# Altium PCB SLIU_648352_008.PcbDoc (part 3 of 4)
Units mm, origin at the board's own origin, x right, y up, seen from the top; angles counter-clockwise.
Board outline 200 x 140 mm, 5 copper layers (Top Layer, gnd, Case, PITANIE, Bottom Layer), stack 2.01 mm thick; 379 components, 284 nets, 1711 pads, 392 vias.
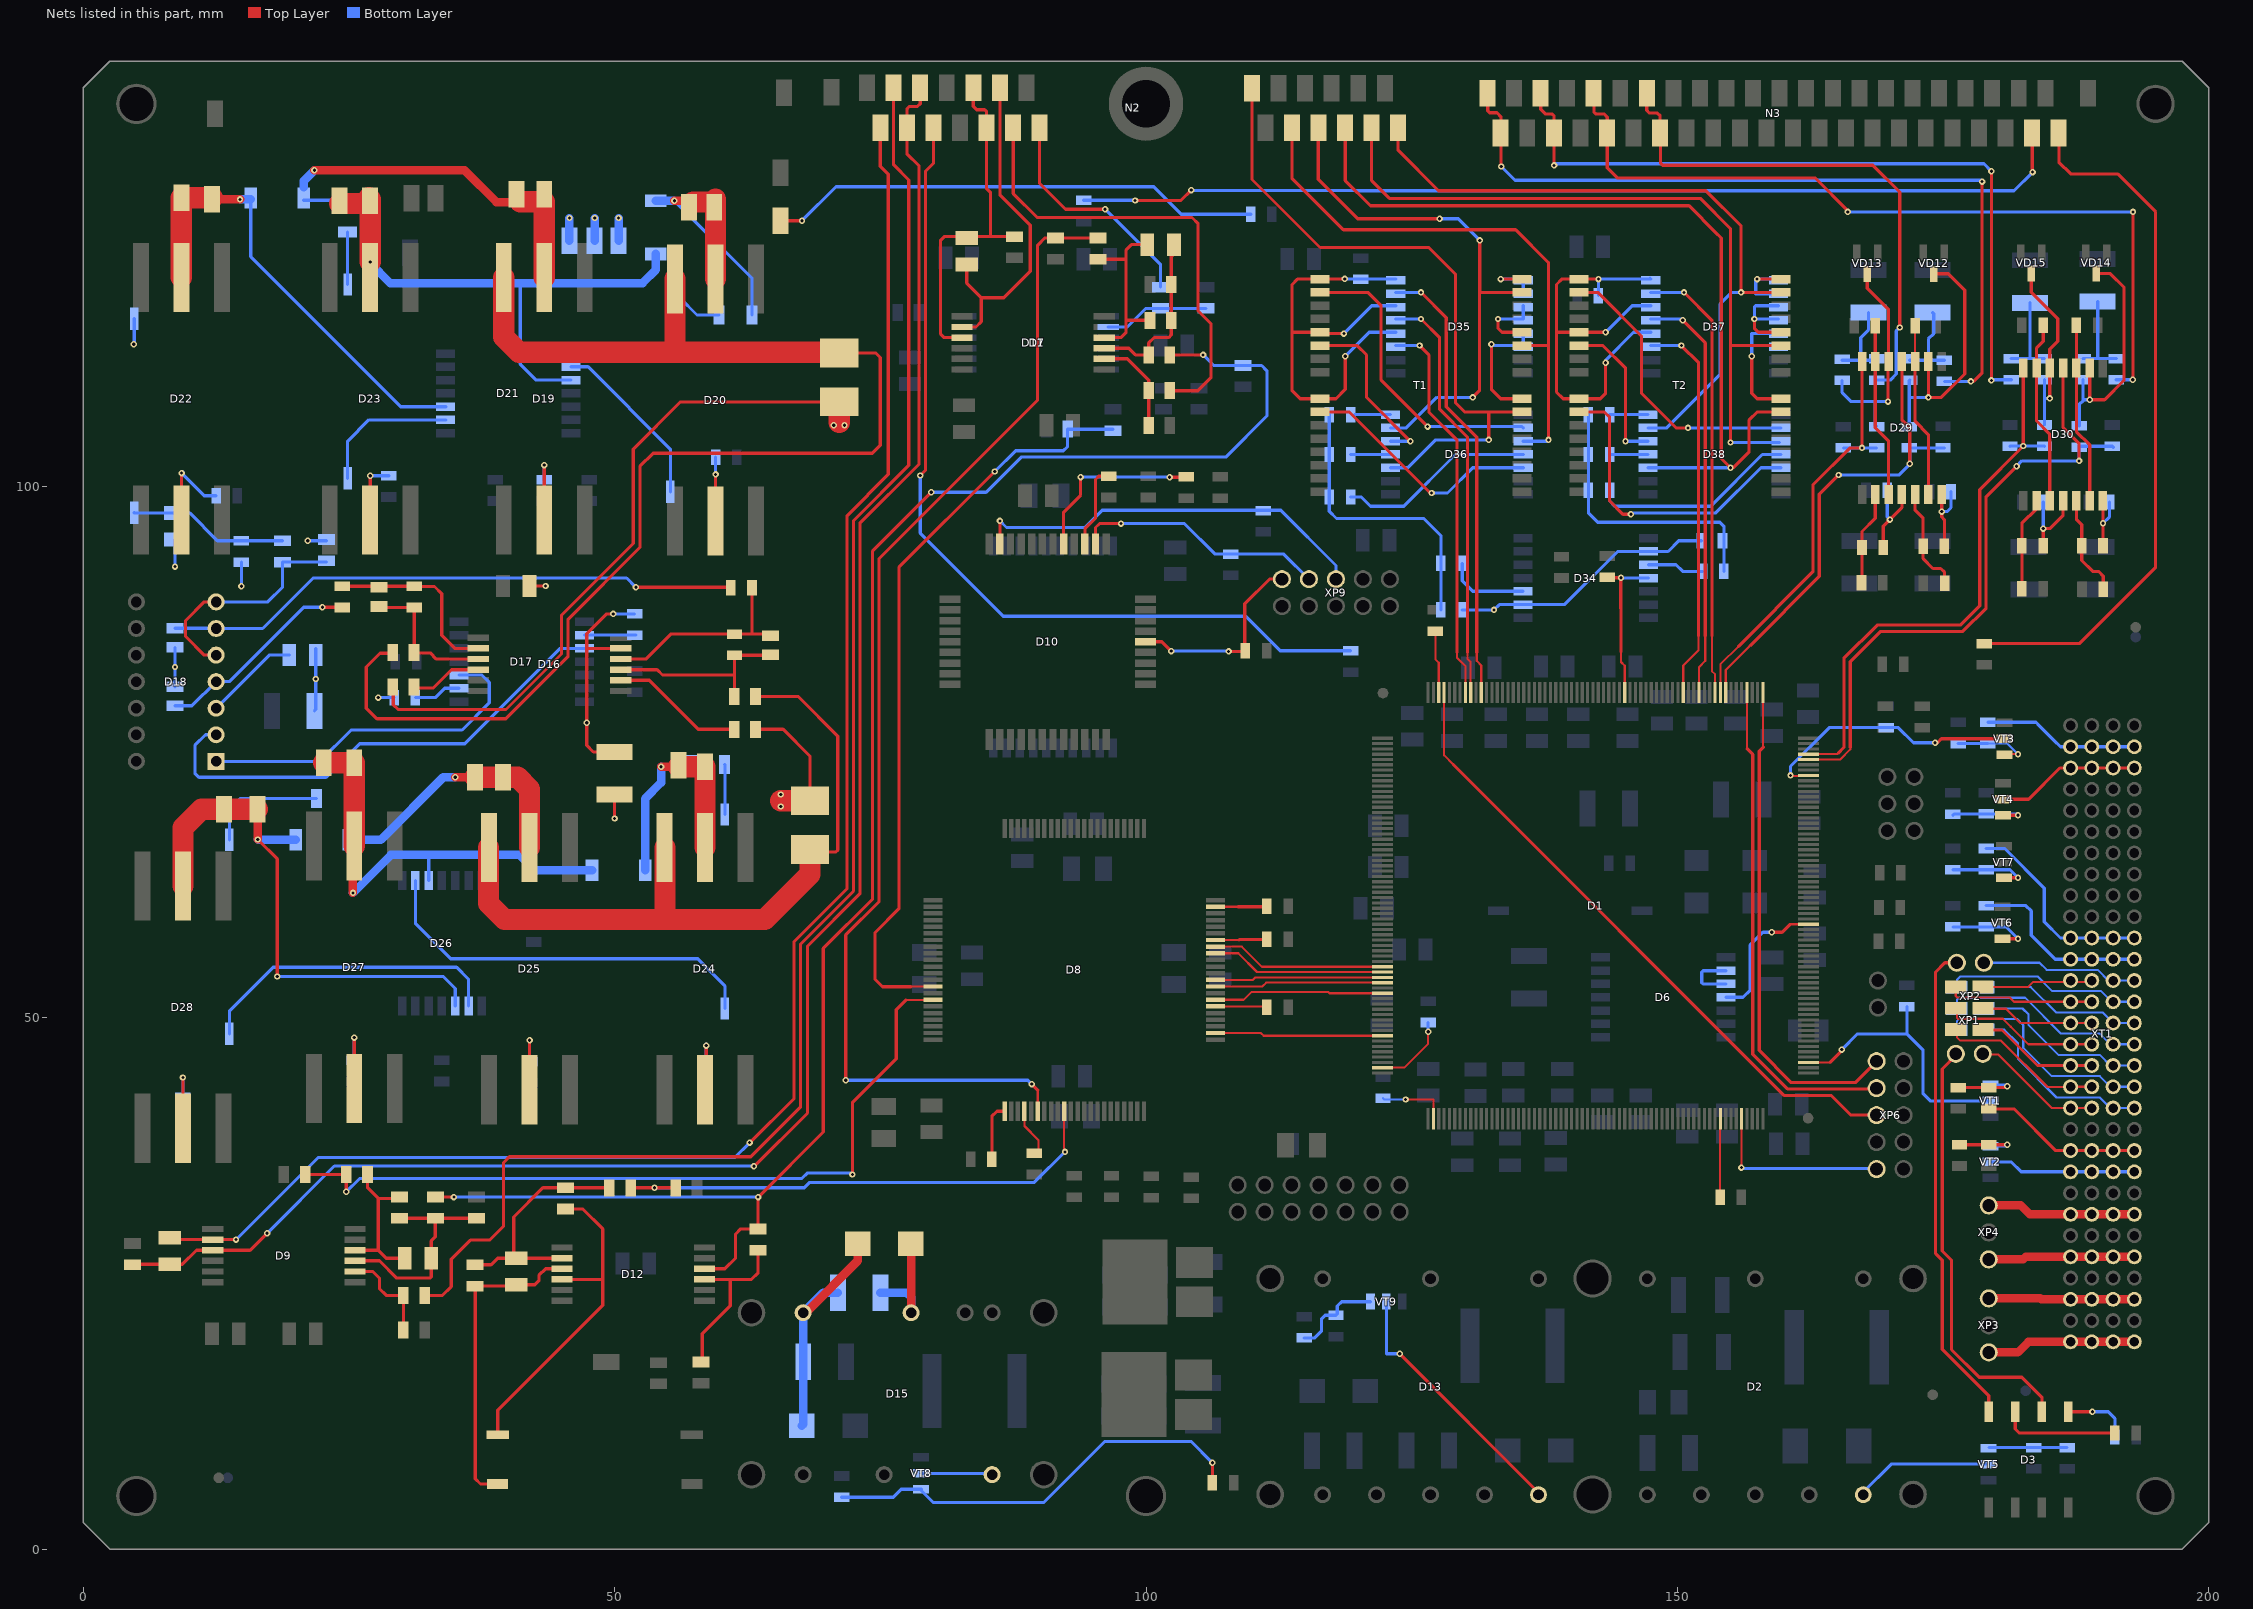
[diagram p6: the nets of this part, all layers, seen from the top]

## Via types
v1: diameter 0.6, hole 0.3, Top Layer to Bottom Layer, 392 vias

## Nets (pads, with @x,y where several pads share a name; then routed paths per layer and width w, separated by ;. In a path a pad name is that pad's centre, name@x,y a point inside that pad or via, vN(x,y) a via of type N, cw(c..) or ccw(c..) an arc to the next point about the centre after c; other vN are vias at no path point) (continued)
NetC21_1: C21.1 D9.12 R37.1 R38.2 R42.2 | length 20.8
  Top Layer w0.3: D9.12@25.575,27.125 27.875,27.125 29.5,25.5 32.625,25.5 32.75,25.625 C21.1@32.75,27.375 32.75,29 33.125,29.375 R42.2@33.125,31.125 ; R37.1@29.75,31.125 R42.2@33.125,31.125 ; R38.2@37,31.125 R42.2@33.125,31.125
NetC21_2: C21.2 D9.13 R37.2 R39.2 | length 14.5
  Top Layer w0.3: D9.13@25.575,28.125 27.75,28.125 ; R39.2@26.75,35.25 26.75,34 27.75,33 ; R37.2@29.75,33 27.75,33 ; C21.2@30.25,27.375 28.5,27.375 27.75,28.125 ; 27.75,28.125 27.75,33
NetC24_1: C24.1 D9.4 N2.4 N2.5 R43.1 | length 171.8
  Top Layer w0.3: R43.1@4.575,26.725 4.65,26.8 C24.1@8.15,26.8 9.325,26.8 10.65,28.125 D9.4@12.175,28.125 15.7,28.125 v1(17.3,29.725) ; v1(63.1,36.025) 63.146,36.025 68.15,41.029 68.15,56.741 73.075,61.666 73.075,96.526 78.65,102.101 78.65,130.15 77.5,131.3 N2.4@77.5,133.75 77.5,135.5 77.75,135.75 78.5,135.75 78.75,136 N2.5@78.75,137.5
  Bottom Layer w0.3: v1(17.3,29.725) 23.625,36.05 63.075,36.05 v1(63.1,36.025)
NetC24_2: C24.2 D9.3 N2.2 | length 159.5
  Top Layer w0.3: C24.2@8.25,29.125 D9.3@12.175,29.125 v1(14.375,29.125) ; v1@62.725,38.225 66.875,42.375 66.875,57.163 71.875,62.163 71.875,97.25 75.75,101.125 75.75,129.375 75,130.125 N2.2@75,133.75
  Bottom Layer w0.3: v1(14.375,29.125) 22.1,36.85 61.3,36.85 v1(62.7,38.25)
NetC64_1: C64.1 D11.12 R48.1 R49.2 R54.2 | length 15.5
  Top Layer w0.3: D11.12@96.075,113 98.375,113 99,112.375 R54.2@100.25,112.375 100.25,113.5 100.75,114 102.125,114 102.375,114.25 102.375,121.625 C64.1@102.5,121.75
NetC64_2: C64.2 D11.13 R48.2 R53.2 | length 17.1
  Top Layer w0.3: R53.2@95.5,121.375 98.125,121.375 ; D11.13@96.075,114 97.625,114 98.125,114.5 98.125,115.625 ; C64.2@100.125,122.75 98.625,122.75 98.125,122.25 98.125,121.375 ; R48.2@100.375,115.625 98.125,115.625 ; 98.125,115.625 98.125,121.375
NetC66_1: C66.1 D11.4 N2.9 N2.10 R55.1 | length 33.1
  Top Layer w0.3: D11.4@82.675,114 81,114 80.675,114.325 80.675,123.175 81,123.5 85.375,123.5 ; N2.9@83.75,137.5 83.75,135.75 84.063,135.437 84.813,135.437 85,135.25 N2.10@85,133.75 85,128 85.375,127.625 85.375,123.5 ; R55.1@87.5,123.5 85.375,123.5
NetC66_2: C66.2 D11.3 N2.11 | length 31.6
  Top Layer w0.3: D11.3@82.675,115 84,115 84.5,115.5 84.5,117.75 ; C66.2@83.125,120.375 83.125,119.125 84.5,117.75 ; N2.11@86.25,137.5 86.25,127.425 89.1,124.575 89.1,120.225 86.625,117.75 84.5,117.75
NetC71_1: C71.1 D12.4 R61*.2 R62.1 | length 29.5
  Top Layer w0.3: R61*.2@38.975,6.125 37.375,6.125 36.875,6.625 36.875,24.625 37,24.75 40.625,24.75 C71.1@40.75,24.875 42.5,24.875 42.875,25.25 42.875,25.75 43.5,26.375 D12.4@45.05,26.375
NetC71_2: C71.2 D12.3 R62.2 R65.2 R70.2 | length 22.3
  Top Layer w0.3: R62.2@37,26.75 38.375,26.75 39,27.375 C71.2@40.5,27.375 ; D12.3@45.05,27.375 C71.2@40.75,27.375 C71.2@40.5,27.375 ; R65.2@49.5,34 R70.2@45.375,34 43.25,34 40.5,31.25 C71.2@40.5,27.375
NetC95_2: C95.2 D18.4 R79.2 | length 19.6
  Top Layer w0.3: v1(22.5,88.625) R79.2@24.35,88.625
  Bottom Layer w0.3: C95.2@8.625,79.35 10.225,79.35 D18.4@12.5,81.625 13.75,81.625 20.75,88.625 v1(22.5,88.625)
NetC96_1: C96.1 D16.4 R81.2 R83.1 | length 13.8
  Top Layer w0.3: C96.1@27.825,88.7 27.925,88.6 R83.1@31.15,88.6 31.15,84.325 32.65,84.325 33.225,83.75 D16.4@37.05,83.75
NetC96_2: C96.2 D16.3 R79.1 R83.2 | length 17.4
  Top Layer w0.3: R79.1@24.375,90.6 R83.2@31.15,90.6 31.25,90.6 31.275,90.575 33.05,90.575 33.725,89.9 33.725,85.975 34.95,84.75 D16.3@37.05,84.75
NetC97_2: C97.2 R82.1 R208.2 VD3.C | length 15
  Bottom Layer w0.3: VD3.C@4.8,97.525 4.825,97.5 C97.2@8.625,97.5 10,97.5 12.625,94.875 R82.1@14.875,94.875 R208.2@18.75,94.875
NetC98_2: C98.2 D18.6 R95.2 | length 54.7
  Top Layer w0.3: v1(52,90.5) 60.875,90.5 R95.2@60.925,90.45
  Bottom Layer w0.3: C98.2@8.625,86.65 12.475,86.65 D18.6@12.5,86.625 16.875,86.625 21.625,91.375 51.125,91.375 v1(52,90.5)
NetC99_1: C99.1 D16.12 R97.2 R98.1 | length 18.2
  Top Layer w0.3: D16.12@50.575,82.75 54,82.75 54.5,82.25 61.25,82.25 61.275,82.225 ; R97.2@61.3,80.225 61.275,80.25 61.275,82.225 ; C99.1@64.65,84.15 64.6,84.1 R98.1@61.275,84.1 61.275,82.225
NetC99_2: C99.2 D16.13 R95.1 R98.2 | length 19.6
  Top Layer w0.3: D16.13@50.45,83.75 D16.13@50.575,83.75 52.925,83.75 55.275,86.1 R98.2@61.275,86.1 62.925,86.1 ; R95.1@62.925,90.45 62.925,86.1 ; C99.2@64.65,85.95 64.5,86.1 62.925,86.1
NetC102_2: C102.2 R115.2 R116.1 | length 8
  Bottom Layer w0.3: R116.1@171.875,111.875 173.625,111.875 ; C102.2@174,116.375 174.125,116.25 174.125,114.375 173.625,113.875 173.625,111.875 ; R115.2@175.125,111.875 173.625,111.875
NetC106_2: C106.2 R131.2 R132.1 | length 8.1
  Bottom Layer w0.3: R132.1@165.5,111.875 167.25,111.875 ; C106.2@168,116.375 168,114.75 167.25,114 167.25,111.875 ; R131.2@168.75,111.875 167.25,111.875
NetC110_2: C110.2 R147.2 R148.1 | length 8.5
  Bottom Layer w0.3: R148.1@188.175,112.025 189.55,112.025 ; C110.2@189.55,117.4 189.55,112.025 ; R147.2@191.3,112.025 189.55,112.025
NetC114_2: C114.2 R163.2 R164.1 | length 8.4
  Bottom Layer w0.3: R163.2@181.425,112.025 183.175,112.025 ; C114.2@183.175,117.275 183.175,112.025 ; R164.1@184.55,112.025 183.175,112.025
NetD1_65: D1.65 XP6.1 | length 47
  Top Layer w0.2: D1.65@158.05,80.6 158.075,80.575 158.075,75.45
  Top Layer w0.3: 158.075,75.45 157.7,75.075 157.7,46.925 160.725,43.9 166.735,43.9 XP6.1@168.75,45.915
NetD1_68: D1.68 XP6.3 | length 47.3
  Top Layer w0.2: D1.68@156.55,80.6 156.55,75.325 156.575,75.3
  Top Layer w0.3: 156.575,75.3 157.1,74.775 157.1,46.55 160.35,43.3 168.675,43.3 XP6.3@168.75,43.375
NetD1_125: D1.125 XP6.5 | length 60.6
  Top Layer w0.2: D1.125@128.05,80.6 128.05,74.7 128.925,73.825
  Top Layer w0.3: 128.925,73.825 160.075,42.675 164.5,42.675 166.34,40.835 XP6.5@168.75,40.835
NetD1_126: D1.126 R173.2 | length 5.9
  Top Layer w0.2: R173.2@127.225,86.375 127.225,83.725 127.55,83.4 D1.126@127.55,80.6
NetD1_191: D1.191 R170.1 | length 7.2
  Top Layer w0.2: D1.191@122.25,45.3 124.3,45.3 126.55,47.55 126.55,48.674 v1(126.551,48.675)
  Bottom Layer w0.3: v1(126.551,48.675) v1(126.551,48.675) R170.1@126.55,49.55
NetD1_194: D1.194 R171.1 | length 6.6
  Top Layer w0.2: v1(124.425,42.3) 127.05,42.3 D1.194@127.05,40.5
  Bottom Layer w0.2: R171.1@122.3,42.425 122.425,42.3 v1(124.425,42.3)
NetD1_248: D1.248 R172.1 | length 7.4
  Top Layer w0.2: R172.1@154.025,33.1 154.025,40.475 D1.248@154.05,40.5
NetD1_252: D1.252 XP6.9 | length 17.4
  Top Layer w0.2: v1(156.025,35.9) 156.05,35.925 D1.252@156.05,40.5
  Bottom Layer w0.3: v1(156.025,35.9) 156.1,35.825 168.68,35.825 XP6.9@168.75,35.755
NetD2_5: D2.5 VT5.C | length 13.1
  Bottom Layer w0.3: D2.5@167.495,5.115 167.495,5.37 170.125,8 VT5.C@179.28,8
NetD3_1: D3.1 R13.1 | length 6.4
  Top Layer w0.3: D3.1@186.8,12.925 v1(189.05,12.925)
  Bottom Layer w0.3: v1(189.05,12.925) 190.55,12.925 191.175,12.3 R13.1@191.175,10.55
NetD3_2: D3.2 XP1.1 | length 40.5
  Top Layer w0.3: XP1.1@176.2,46.6 176.3,46.55 174.925,45.175 174.925,28.05 175.8,27.175 175.8,18.774 178.399,16.175 182.425,16.175 184.3,14.3 D3.2@184.3,12.925
NetD3_3: D3.3 R14.1 | length 11.2
  Top Layer w0.3: D3.3@181.8,12.925 181.8,11.3 182.175,10.925 R14.1@191.175,10.925
NetD3_4: D3.4 XP2.1 | length 45.8
  Top Layer w0.3: XP2.1@176.3,55.175 175.175,55.175 174.3,54.3 174.3,27.8 174.925,27.175 174.925,18.8 179.3,14.425 D3.4@179.3,12.925
NetD6_2: D6.2 D6.3 | length 5.7
  Bottom Layer w0.3: D6.3@154.575,53.175 152.425,53.175 152.3,53.3 152.3,54.3 152.425,54.425 D6.2@154.575,54.425
NetD7_11: D7.11 R34.2 R36.1 | length 9.9
  Bottom Layer w0.3: D7.11@96.45,115 98.25,115 100,116.75 R34.2@101.375,116.75 R36.1@105.625,116.75
NetD8_1: D8.1 R68.2 | length 5.4
  Top Layer w0.3: R68.2@85.5,36.7 85.5,40.725 85.975,41.2 D8.1@86.687,41.2
NetD8_4: D8.4 R31.1 | length 4.5
  Top Layer w0.2: D8.4@88.563,41.2 88.563,39.812 89.875,38.5 R31.1@89.875,37.25
NetD8_10: D8.10 R65.1 R66.2 | length 48.1
  Top Layer w0.2: D8.10@92.313,41.2 92.297,41.185 92.297,37.453 v1(92.375,37.375)
  Top Layer w0.3: R65.1@51.5,34 v1(53.75,34) R66.2@55.75,34
  Bottom Layer w0.3: v1(53.75,34) 67.849,34 68.349,34.5 89.5,34.5 v1(92.375,37.375)
NetD8_28: D8.28 R73.2 | length 4.9
  Top Layer w0.2: D8.28@106.55,51.063 111.312,51.063 R73.2@111.375,51
NetD8_38: D8.38 R69.1 | length 4.9
  Top Layer w0.2: D8.38@106.55,57.312 108.75,57.312
  Top Layer w0.3: 108.75,57.312 108.813,57.375 R69.1@111.375,57.375
NetD8_43: D8.43 R63.1 | length 4.9
  Top Layer w0.2: D8.43@106.55,60.437 108.687,60.437
  Top Layer w0.3: 108.687,60.437 111.312,60.437 R63.1@111.375,60.5
NetD9_11: D9.11 R44.2 R46.1 | length 9.4
  Top Layer w0.3: D9.11@25.575,26.125 27.25,26.125 27.875,25.5 27.875,24.5 28.5,23.875 R44.2@30.125,23.875 30.125,20.7 R46.1@30.225,20.6
NetD10_5: D10.5 R52.2 XP9.5 | length 38.2
  Top Layer w0.3: D10.5@86.25,94.575 v1(86.25,96.75)
  Bottom Layer w0.3: v1(86.25,96.75) 86.875,96.125 94.25,96.125 95.875,97.75 112.675,97.75 117.875,92.55 XP9.5@117.875,91.27
NetD10_32: D10.32 R50.2 XP9.9 | length 18.7
  Top Layer w0.3: D10.32@99.95,85.375 101.5,85.375 v1(102.375,84.5) ; v1(107.775,84.475) 109.3,84.475 109.3,88.95 111.62,91.27 XP9.9@112.795,91.27
  Bottom Layer w0.3: v1(102.375,84.5) 107.75,84.5 v1(107.775,84.475)
NetD10_38: D10.38 R51.2 XP9.7 | length 24
  Top Layer w0.3: D10.38@95.25,94.575 95.25,96.125 95.625,96.5 v1(97.65,96.5)
  Bottom Layer w0.3: v1(97.65,96.5) 103.625,96.5 106.5,93.625 R51.2@107.975,93.625 112.98,93.625 XP9.7@115.335,91.27
NetD10_39: D10.39 R47.2 | length 7.9
  Top Layer w0.3: D10.39@94.25,94.575 94.25,96 95.25,97 95.25,100.65 95.55,100.95 R47.2@96.5,100.95
NetD10_41: D10.41 R203.2 | length 16.9
  Top Layer w0.3: D10.41@92.25,94.575 92.25,97.575 93.85,99.175 v1(93.85,100.875) ; v1(102.225,100.85) 103.75,100.85 R203.2@103.8,100.9
  Bottom Layer w0.3: v1(93.85,100.875) 102.2,100.875 v1(102.225,100.85)
NetD11_11: D11.11 R56.2 R58.1 | length 9.6
  Top Layer w0.3: D11.11@96.075,112 98.25,112 100.25,110 100.25,109.5 100,109.25 R56.2@100.25,109 R58.1@100.25,105.75 R58.1@100.25,105.625
NetD12_5: D12.5 R70.1 VD2.C | length 31.6
  Top Layer w0.3: VD2.C@39,10.75 39,13.075 48.875,22.95 48.875,25.375 ; D12.5@45.05,25.375 48.875,25.375 ; R70.1@45.375,32 47,32 48.875,30.125 48.875,25.375
NetD12_12: D12.12 R71.1 R72.2 | length 16.3
  Top Layer w0.3: R71.1@58.25,17.55 58.25,20.275 60.875,22.9 60.875,25.375 ; D12.12@58.45,25.375 60.875,25.375 ; R72.2@63.5,28.125 63.5,26 62.875,25.375 60.875,25.375
NetD13_5: D13.5 VT9.C | length 24.8
  Top Layer w0.3: v1(123.875,18.375) 136.935,5.315 D13.5@136.935,5.115
  Bottom Layer w0.3: VT9.C@122.625,23.28 122.625,18.375 v1(123.875,18.375)
NetD15_7: D15.7 VT8.C | length 6.7
  Bottom Layer w0.3: VT8.C@78.845,7.125 85.395,7.125 D15.7@85.515,7.005
NetD16_5: D16.5 R78.2 | length 6.6
  Top Layer w0.3: R78.2@31.175,81.025 32.925,81.025 34.65,82.75 D16.5@37.05,82.75
NetD16_11: D16.11 R94.2 | length 12.8
  Top Layer w0.3: D16.11@50.45,81.75 D16.11@50.575,81.75 53.25,81.75 57.85,77.15 R94.2@61.325,77.15
NetD17_2: D17.2 R76.1 | length 4.9
  Bottom Layer w0.3: D17.2@47.15,86 R76.1@51.875,86 R76.1@52,86
NetD17_3: D17.3 D18.2 | length 46.9
  Bottom Layer w0.3: D18.2@12.5,76.625 11.5,76.625 10.5,75.625 10.5,73 10.875,72.625 22.85,72.625 26,75.775 35.9,75.775 44.875,84.75 D17.3@47.15,84.75
NetD17_9: D17.9 R92.1 | length 4.5
  Bottom Layer w0.3: R92.1@31.25,80.125 33.125,80.125 34,81 D17.9@35.35,81
NetD17_10: D17.10 D18.1 | length 33
  Bottom Layer w0.3: D18.1@12.5,74.125 22.25,74.125 25.2,77.075 35.65,77.075 38.2,79.625 38.2,81.55 37.5,82.25 D17.10@35.35,82.25
NetD19_2: D19.2 R84.2 | length 6.5
  Top Layer w0.3: D19.2@43.375,96.85 v1(43.375,102)
  Bottom Layer w0.3: R84.2@43.375,100.625 v1(43.375,102)
NetD19_5: D19.5 N1.6.1 N1.7.1 R86.2 VD4.minus | length 35.8
  Top Layer w0.8: v1(21.75,129.75) 35.875,129.75 38.875,126.75 40.725,126.75 N1.6.1@40.75,126.775
  Top Layer w2: N1.6.1@41.125,126.775 43.375,126.775 D19.5@43.375,119.65
  Bottom Layer w0.3: VD4.minus@20.75,126.925 R86.2@24.875,126.925
  Bottom Layer w0.8: 20.75,128.125 20.75,128.75 v1(21.75,129.75)
NetD19_6: D19.6 D20.6 R80.1 R81.1 | length 130
  Top Layer w0.3: R81.1@29.125,84.3 27.925,84.3 26.625,83 26.625,79.125 27.625,78.125 39.75,78.125 45.625,84 45.625,87.5 52.375,94.25 52.375,101.875 53.625,103.125 74.25,103.125 75,103.875 75,112.125 74.575,112.55 R80.1@71.125,112.55
  Top Layer w2: D19.6@39.565,119.65 39.565,114.06 41,112.625 55.875,112.625 ; D20.6@55.69,119.525 55.69,112.81 55.875,112.625 ; R80.1@71.125,112.425 70.925,112.625 55.875,112.625
NetD20_2: D20.2 R85.2 | length 6
  Top Layer w0.3: D20.2@59.5,96.725 v1(59.5,101.125)
  Bottom Layer w0.3: v1(59.5,101.125) R85.2@59.5,102.75
NetD20_5: D20.5 N1.12.1 N1.13.1 R87.2 VD6.minus | length 26.7
  Top Layer w0.8: v1(55.625,126.875) 56.9,126.875 N1.12.1@57,126.775
  Top Layer w2: N1.12.1@57.4,126.75 59.225,126.75 59.5,127.025 D20.5@59.5,119.525
  Bottom Layer w0.3: v1(55.625,126.875) 62.925,119.575 R87.2@62.925,116.125
  Bottom Layer w0.8: VD6.minus@53.875,126.875 v1(55.625,126.875)
NetD21_2: D21.2 VD5.A | length 13.6
  Bottom Layer w0.3: VD5.A@24.875,100.75 24.875,104.25 26.875,106.25 D21.2@34.1,106.25
NetD21_3: D21.3 D22.5 N1.3.1 N1.4.1 VD4.plus | length 43.7
  Top Layer w0.8: N1.4.1@12.125,127.15 12.275,127 v1(14.75,127)
  Top Layer w2: D22.5@9.25,119.65 9.225,119.675 N1.3.1@9.225,127.15 N1.4.1@12.125,127.15
  Bottom Layer w0.3: VD4.plus@15.75,127 15.75,121.625 29.875,107.5 D21.3@34.1,107.5
  Bottom Layer w0.8: v1(14.75,127) VD4.plus@15.75,127
NetD21_9: D21.9 VD7.A | length 16.6
  Bottom Layer w0.3: D21.9@45.9,111.25 47.5,111.25 55.25,103.5 VD7.A@55.25,99.5
NetD21_10: D21.10 D23.5 N1.8.1 N1.9.1 VD6.plus | length 51.6
  Top Layer w2: N1.9.1@24.125,126.625 N1.8.1@26.875,126.625 ; N1.8.1@26.875,127.15 27,127.025 N1.8.1@27,126.875 v1(27,121.125)
  Bottom Layer w0.3: 41.125,119.125 41.125,111.5 42.625,110 D21.10@45.9,110
  Bottom Layer w0.8: v1(27,121.125) 27,121 28.875,119.125 41.125,119.125 52.625,119.125 53.875,120.375 VD6.plus@53.875,121.875
NetD22_2: D22.2 R90.2 | length 8.7
  Top Layer w0.3: D22.2@9.25,96.85 v1(9.25,101.25)
  Bottom Layer w0.3: v1@9.375,101.375 v1(9.25,101.25) 11.375,99.125 R90.2@12.5,99.125
NetD23_2: D23.2 R91.2 | length 5.9
  Top Layer w0.3: D23.2@27,96.85 v1(27,101)
  Bottom Layer w0.3: v1(27,101) R91.2@28.75,101
NetD24_2: D24.2 R99.2 | length 5.8
  Top Layer w0.3: D24.2@58.5,43.225 58.625,43.35 v1(58.625,47.375)
  Bottom Layer w0.3: R99.2@58.5,46 58.625,46.125 v1(58.625,47.375) v1@58.625,47.5
NetD24_5: D24.5 N1.17.1 N1.18.1 R101.2 VD8.minus | length 25.1
  Top Layer w0.8: v1(54.375,73.625) N1.17.1@56,73.625
  Top Layer w2: N1.17.1@56,73.625 N1.18.1@58.5,73.625 D24.5@58.5,66.025
  Bottom Layer w0.3: v1(54.375,73.625) 54.575,73.825 R101.2@57.25,73.825
  Bottom Layer w0.8: VD8.minus@52.875,63.875 52.875,70.625 54.375,72.125 v1(54.375,73.625)
NetD24_6: D24.6 D25.6 R96.1 R97.1 | length 69.8
  Top Layer w0.3: R97.1@63.3,80.225 67.275,80.225 71,76.5 71,65.775 70.825,65.6 68.6,65.6 R96.1@68.375,65.825
  Top Layer w2: D25.6@38.125,66.025 38.125,60.75 39.625,59.25 54.75,59.25 ; D24.6@54.75,66.025 54.75,59.25 ; R96.1@68.375,65.825 68.375,63.5 64.125,59.25 54.75,59.25
NetD25_2: D25.2 R100.2 | length 6.6
  Top Layer w0.3: D25.2@42,43.225 v1(42,47.875)
  Bottom Layer w0.3: R100.2@42,45.875 v1(42,47.875)
NetD25_5: D25.5 N1.22.1 N1.23.1 R102.2 VD10.minus | length 29.3
  Top Layer w0.8: v1(35,72.625) N1.23.1@36.875,72.625
  Top Layer w2: N1.23.1@36.875,72.625 N1.22.1@39.5,72.625 40.875,72.625 42,71.5 D25.5@42,66.025
  Bottom Layer w0.3: VD10.minus@25,66.75 25.05,66.8 R102.2@25.05,70.625
  Bottom Layer w0.8: VD10.minus@25,66.75 28,66.75 33.875,72.625 v1(35,72.625)
NetD26_2: D26.2 VD9.A | length 37.7
  Bottom Layer w0.3: D26.2@31.25,62.9 31.25,58.875 34.575,55.55 57.825,55.55 60.375,53 VD9.A@60.375,50.875
NetD26_3: D26.3 D27.5 N1.14.1 N1.15.1 VD8.plus | length 42.2
  Top Layer w0.3: D27.5@25.375,66.025 D27.5@25.5,66.15
  Top Layer w0.8: v1(25.375,61.75) D27.5@25.375,66.025
  Top Layer w2: N1.15.1@22.625,74 N1.14.1@25.5,74 D27.5@25.5,66.15
  Bottom Layer w0.3: D26.3@32.5,62.9 32.5,65.325
  Bottom Layer w0.8: v1(25.375,61.75) 28.95,65.325 32.5,65.325 41.075,65.325 42.525,63.875 VD8.plus@47.875,63.875
NetD26_9: D26.9 VD11.A | length 29.3
  Bottom Layer w0.3: VD11.A@13.75,48.5 13.75,50.625 17.875,54.75 35.125,54.75 36.25,53.625 D26.9@36.25,51.1
NetD26_10: D26.10 D28.5 N1.20.1 N1.21.1 VD10.plus | length 52.2
  Top Layer w0.3: v1(16.425,66.775) 18.25,64.95 v1(18.25,53.875)
  Top Layer w0.8: N1.21.1@16.375,69.625 16.425,69.575 v1(16.425,66.775)
  Top Layer w2: D28.5@9.375,62.4 9.375,67.875 11.125,69.625 N1.20.1@13.25,69.625 N1.21.1@16.375,69.625
  Bottom Layer w0.3: v1(18.25,53.875) 33.875,53.875 35,52.75 D26.10@35,51.1
  Bottom Layer w0.8: v1(16.425,66.775) 16.45,66.75 VD10.plus@20,66.75
NetD27_2: D27.2 R105.2 | length 6.9
  Top Layer w0.3: D27.2@25.5,43.35 v1(25.5,48.125)
  Bottom Layer w0.3: R105.2@25.5,46 v1(25.5,48.125)
NetD28_2: D28.2 R106.2 | length 6.6
  Top Layer w0.3: D28.2@9.375,39.6 v1(9.375,44.375)
  Bottom Layer w0.3: R106.2@9.375,42.5 v1(9.375,44.375)
NetD29_2: D29.2 R111.1 R116.2 VD12.3 | length 25.5
  Top Layer w0.3: D29.2@173.625,111.75 v1(173.625,108.375) 174.85,108.375 177.05,110.575 177.05,118.45 175.5,120 VD12.3@174.125,120
  Bottom Layer w0.3: R111.1@171.825,105.625 171.825,108.375 ; R116.2@171.875,110 171.825,109.95 171.825,108.375 ; v1@173.75,108.375 v1(173.625,108.375) 171.825,108.375
NetD29_3: D29.3 D29.13 R121.2 | length 16.4
  Top Layer w0.2: D29.3@172.375,111.75 R121.2@172.375,115.125
  Top Layer w0.3: D29.3@172.375,111.75 172.375,106.125 173.625,104.875 D29.13@173.625,99.25
NetD29_5: D29.5 R127.1 R132.2 VD13.3 | length 21.1
  Top Layer w0.3: VD13.3@167.875,120 167.875,118.625 169.875,116.625 D29.5@169.875,111.75 169.825,111.7 v1(169.825,107.975)
  Bottom Layer w0.3: R132.2@165.5,109.975 165.5,108.825 166.35,107.975 168.6,107.975 ; R127.1@168.75,105.625 168.6,105.775 168.6,107.975 ; v1(169.825,107.975) 168.6,107.975
NetD29_6: D29.6 D29.10 R137.2 | length 16.4
  Top Layer w0.3: R137.2@168.625,115.125 D29.6@168.625,111.75 168.625,105.5 169.875,104.25 D29.10@169.875,99.25
NetD29_9: D29.9 R129.2 R135.2 | length 9.3
  Top Layer w0.3: R135.2@167.375,90.5 R129.2@167.375,94.25 167.375,95.75 168.625,97 D29.9@168.625,99.25
NetD29_11: D29.11 R123.1 R129.1 | length 8.6
  Top Layer w0.3: R129.1@169.375,94.25 169.375,96.25 v1(170,96.875) 171.125,98 D29.11@171.125,99.25
  Bottom Layer w0.3: R123.1@169.75,99.625 169.75,97.125 v1(170,96.875)
NetD29_12: D29.12 R113.2 R119.2 | length 10.3
  Top Layer w0.3: D29.12@172.375,99.25 172.375,97.75 173.125,97 R113.2@173.125,94.375 173.125,93.2 174.05,92.275 174.775,92.275 175.15,91.9 R119.2@175.15,90.9 R119.2@175.15,90.5